# Altium PCB foxbms2-master.PcbDoc (part 5 of 11)
Units mil, origin at the board's own origin, x right, y up, seen from the top; angles counter-clockwise.
Board outline 7874.02 x 4724.41 mil, 8 copper layers (Top, Int1 (Sig), Int2 (Gnd), Int3 (Sig), Int4 (Sig), Int5 (Pwr), Int6 (Sig), Bottom), stack 64.41 mil thick; 912 components, 680 nets, 3159 pads, 2871 vias.
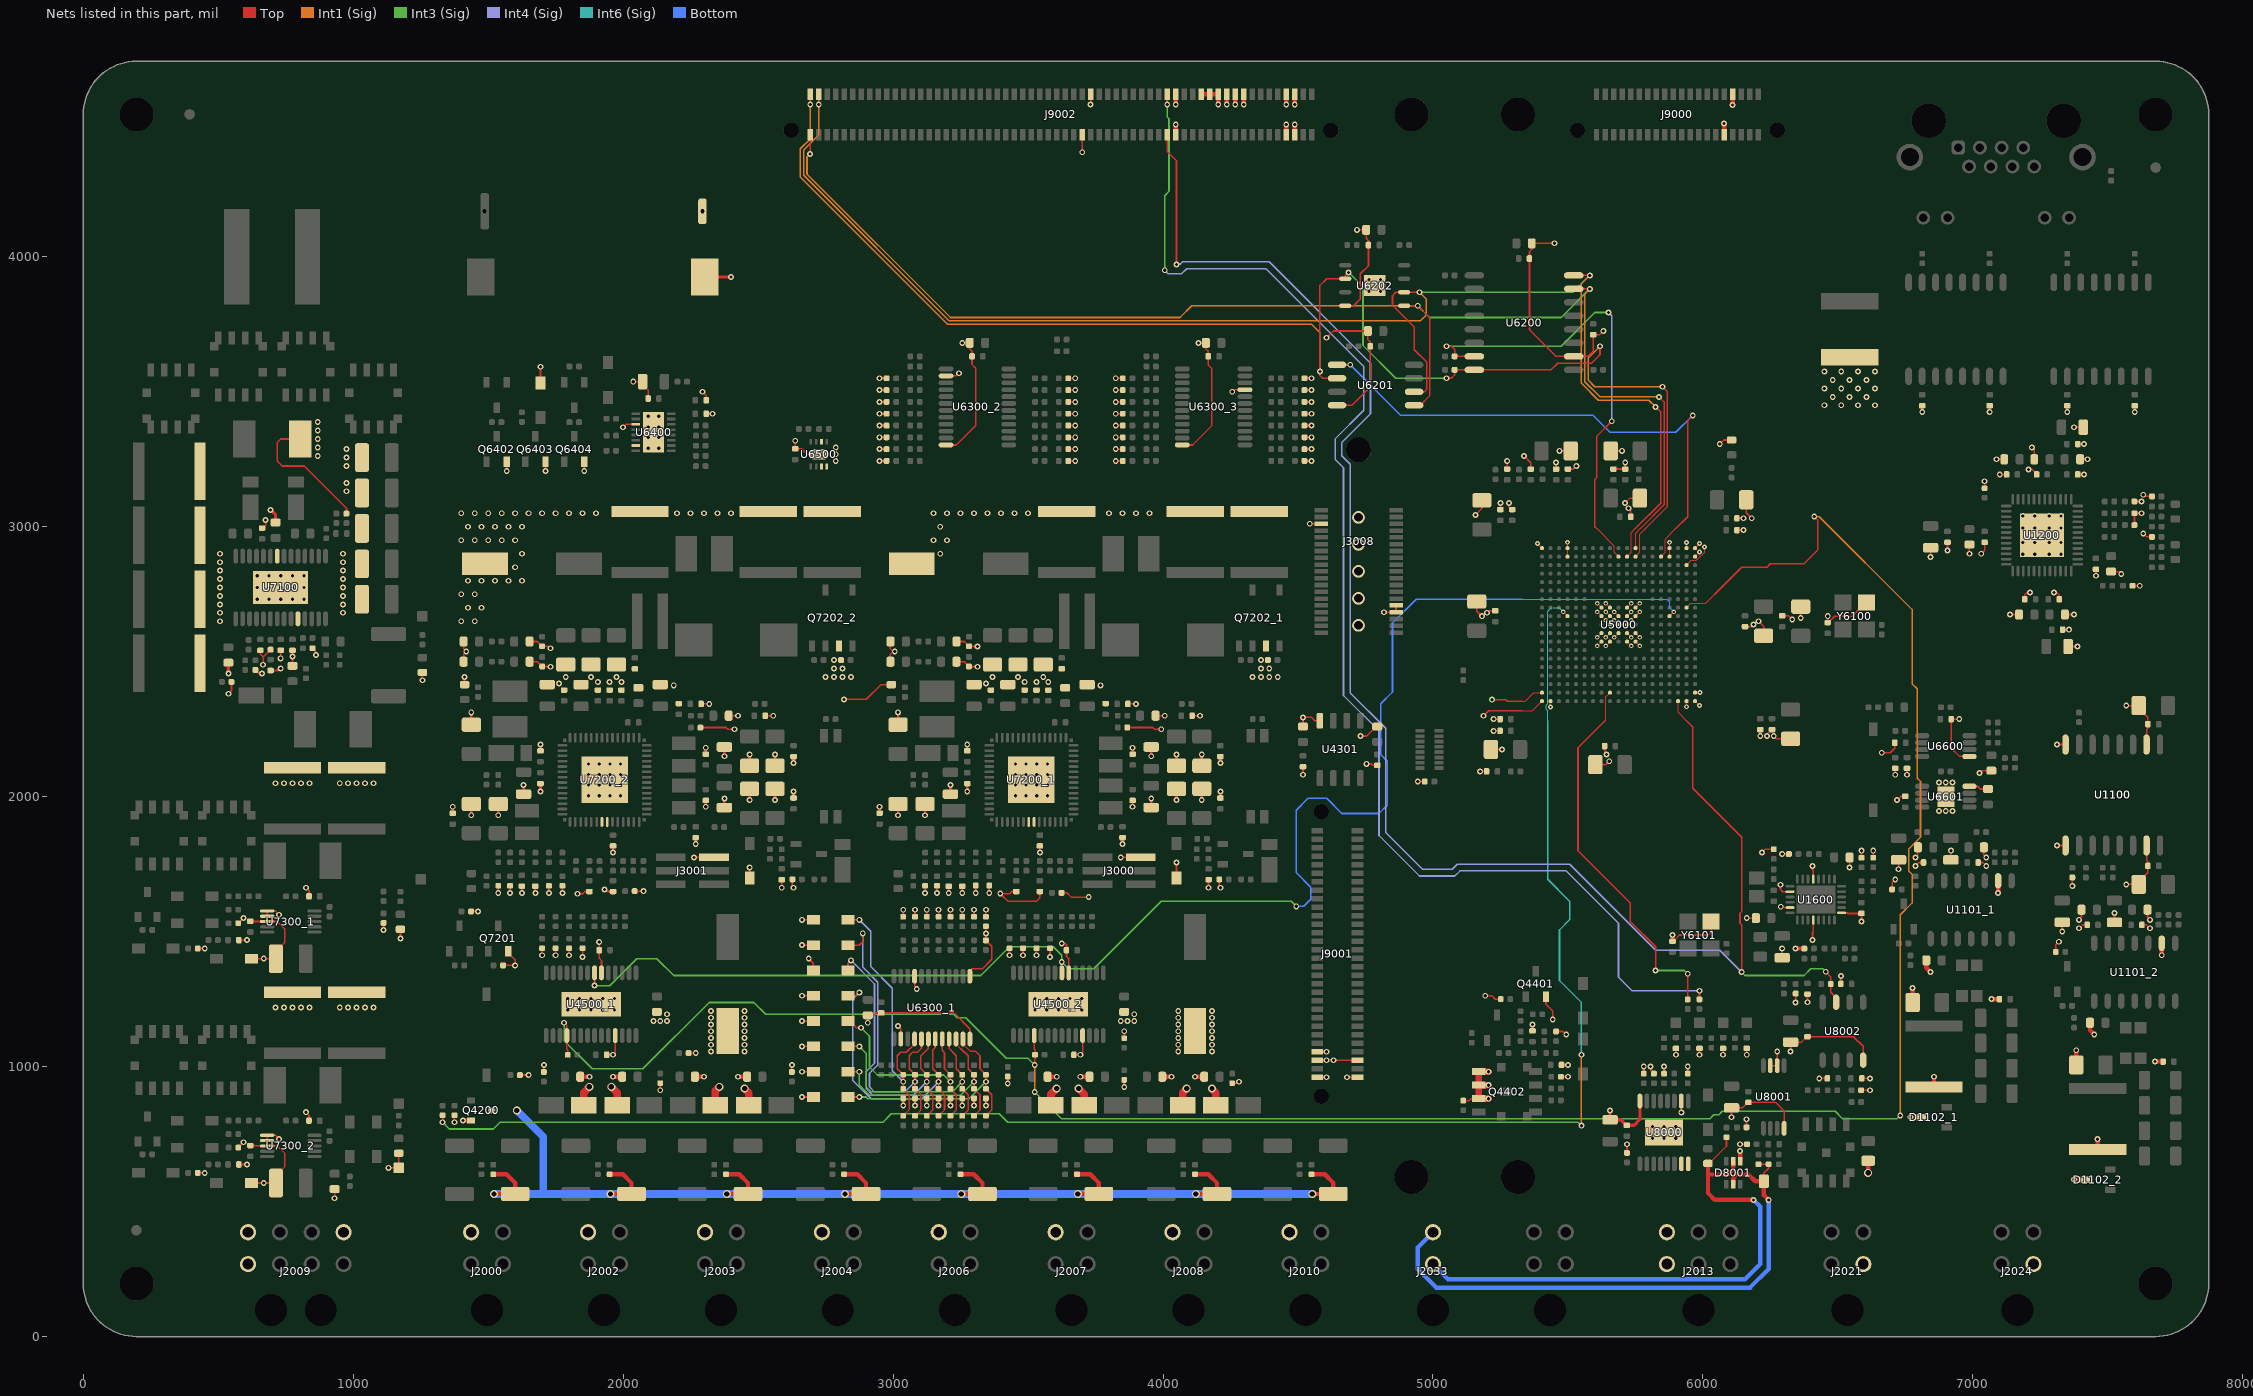
[diagram p11: the nets of this part, all layers, seen from the top]

## Via types
v1: diameter 21.65, hole 11.81, Top to Bottom, 1680 vias
v2: diameter 21.65, hole 11.81, Top to Bottom, tented both sides, 970 vias
v3: diameter 17.72, hole 7.87, Top to Bottom, tented both sides, 172 vias
v4: diameter 17.72, hole 7.87, Top to Bottom, 23 vias
v5: diameter 29.53, hole 19.68, Top to Bottom, tented both sides, 17 vias
v6: diameter 29.53, hole 19.68, Top to Bottom, 9 vias

## Nets (pads, with @x,y where several pads share a name; then routed paths per layer and width w, separated by ;. In a path a pad name is that pad's centre, name@x,y a point inside that pad or via, vN(x,y) a via of type N, cw(c..) or ccw(c..) an arc to the next point about the centre after c; other vN are vias at no path point) (continued)
FLASH_SPI.\CS_1: R6200.1 U5000.V10 U6200.7 | length 1757.6
  Top w4: 5606.25,2993.75 5672.19,2927.81 5672.19,2904.78 U5000.V10@5687.5,2889.47
  Top w6: v1(5050,3668.75) 5068.75,3668.75 5080.22,3657.28 R6200.1@5080.22,3631.25 U6200.7@5153.44,3631.25 ; 5606.25,2993.75 5600,3000 5600,3175 5606.25,3181.25 5606.25,3334.42 v1(5662.5,3390.67)
  Int3 (Sig) w6: v1(5050,3668.75) 5475,3668.75 5600,3793.75 v1(5650,3793.75)
  Int4 (Sig) w6: v1(5650,3793.75) 5662.5,3781.25 v1(5662.5,3390.67)
FLASH_SPI.CLK_1: J9002.3 U5000.V9 U6200.16 U6201.6 U6202.6 | length 5568.2
  Top w4: U5000.V9@5719,2889.47 5734.74,2905.22 5734.74,2978.49 5750,2993.75
  Top w6: v1(2724.41,4564.86) J9002.3@2724.41,4602.36 ; U6201.6@4930.22,3500 4968.75,3500 4977.5,3508.75 4977.5,3610 4931.25,3656.25 4931.25,3739.75 4850,3821 4850,3856.25 4862.5,3868.75 U6202.6@4893.5,3868.75 v1(4950,3868.75) ; U6200.16@5521.56,3931.25 v2(5581.25,3931.25) ; 5750,2993.75 5843.75,3087.5 5843.75,3425 v1(5825,3443.75)
  Int3 (Sig) w6: v1(4950,3868.75) 5518.75,3868.75 v2(5581.25,3931.25)
  Int1 (Sig) w6: v1(2724.41,4564.86) 2724.41,4451.31 2668.75,4395.65 2668.75,4301.88 3208.13,3762.5 4953.23,3762.5 4975,3784.27 4975,3843.75 v1(4950,3868.75) ; v2(5581.25,3931.25) 5550,3900 5550,3531.25 5612.5,3468.75 5800,3468.75 v1(5825,3443.75)
FLASH_SPI.MISO_1: J9002.1 R6201.1 U5000.V8 U6200.8 U6201.2 U6202.2 | length 5578.5
  Top w4: U5000.V8@5750.49,2889.47 5766.24,2905.22 5766.24,2972.49 5787.5,2993.75
  Top w6: v1(2692.91,4564.86) J9002.1@2692.91,4602.36 ; U6201.2@4644.78,3550 4591.53,3550 4581.25,3560.28 v1(4581.25,3575) 4581.25,3893.75 4606.25,3918.75 U6202.2@4675,3918.75 4675,3930.62 4686.43,3942.05 v1(4687.7,3942.05) ; v1(5050,3550) 5068.07,3550 5080.22,3562.14 R6201.1@5080.22,3581.25 U6200.8@5153.44,3581.25 5437.5,3581.25 5462.5,3606.25 5587.5,3606.25 5618.75,3637.5 v1(5618.75,3668.75) ; 5787.5,2993.75 5868.75,3075 5868.75,3500 v1(5850,3518.75)
  Int3 (Sig) w6: v1(4687.7,3942.05) 4740.77,3888.97 4740.77,3671.73 4862.5,3550 v1(5050,3550)
  Int1 (Sig) w6: v1(2692.91,4564.86) 2692.91,4436.66 2656.25,4400 2656.25,4295.63 3201.88,3750 4550.44,3750 4581.25,3719.19 v1(4581.25,3575) ; v1(5618.75,3668.75) 5575,3625 5575,3543.75 5600,3518.75 v1(5850,3518.75)
FLASH_SPI.MOSI_1: J9002.2 U5000.W8 U6200.15 U6201.5 U6202.5 | length 5142.4
  Top w4: U5000.W8@5750.49,2920.96 5750.49,2975.49 5768.75,2993.75
  Top w6: v1(2692.62,4381.25) 2692.91,4381.55 J9002.2@2692.91,4452.76 ; U6202.5@4893.5,3818.75 v1(4943.75,3818.75) ; U6201.5@4930.22,3450 4952.85,3450 4987.5,3484.65 4987.5,3775 v1@4947.05,3815.45 ; U6200.15@5521.56,3881.25 v2(5581.25,3881.25) ; 5768.75,2993.75 5856.25,3081.25 5856.25,3462.5 v1(5837.5,3481.25)
  Int3 (Sig) w6: v1(4943.75,3818.75) 4987.5,3775 5475,3775 v2(5581.25,3881.25)
  Int1 (Sig) w6: v1(2692.62,4381.25) 2681.25,4369.88 2681.25,4306.25 3212.5,3775 4063.26,3775 4107.01,3818.75 v1(4943.75,3818.75) ; v2(5581.25,3881.25) 5562.5,3862.5 5562.5,3537.5 5618.75,3481.25 v1(5837.5,3481.25)
FRAM_SPI.\CS_1: U5000.V5 U6201.1 | length 2018.9
  Top w4: U5000.V5@5844.98,2889.47 5860.73,2905.22 5860.73,2954.48 5900,2993.75
  Top w6: U6201.1@4644.78,3600 v2(4693.75,3600) ; 5900,2993.75 5943.75,3037.5 5943.75,3393.75 v1(5962.5,3412.5)
  Bottom w6: v2(4693.75,3600) 4881.25,3412.5 5593.75,3412.5 5656.25,3350 5900,3350 v1(5962.5,3412.5)
GND: BT6400.- BT6401.- C1100.1 C1102.1 C1103_1.1 C1104_1.1 C1105_1.1 C1106_1.1 C1107_1.1 C1108_1.1 C1109_1.1 C1110_1.1 C1111_1.1 C1112_1.1 C1200.1 C1201.1 C1202.1 C1203.1 C1204.1 C1205.1 C1206.1 C1207.1 C1208.1 C1209.1 C1210.1 C1211.1 C1212.1 C1213.1 C1214.1 C1215.1 C1216.1 C1217.1 C1218.1 C1219.1 C1220.1 C1221.1 C1222.1 C1223.1 C1224.1 C1600.2 C1601.2 C1602.1 C1603.1 C3000.1 C4344.1 C4345.1 C4346.1 C4347.1 C4400.1 C4401.1 C4500_1.2 C4500_2.2 C4501_1.1 C4501_2.1 C4502_1.1 C4502_2.1 C4503_1.1 C4503_2.1 C4504_1.1 C4504_2.1 C4505_1.1 C4505_2.1 C4506_1.1 C4506_2.1 C4507_1.1 C4507_2.1 C5000.1 C5001.1 C5002.1 C5003.1 C5004.1 C5005.1 C5006.1 C5007.1 C5008.1 C5009.1 C5010.1 C5011.1 C5012.1 C5013.1 C5014.1 C5015.1 C5016.1 C5017.1 C5018.1 C5019.1 C5020.1 C5021.1 C5022.1 C5023.1 C5024.1 C5025.1 C5026.1 C5027.1 C5028.1 C6100.1 C6101.1 C6200.1 C6201.1 C6202.1 C6203.1 C6204.1 C6205.1 C6206.1 C6300_1.1 C6300_2.1 C6300_3.1 C6301_1.1 C6301_2.1 C6301_3.1 C6400.1 C6401.1 C6402.1 C6403.1 C6500.1 C6600.1 C6601.1 C6602.1 C6603.1 C6604.1 C6605.1 C6606.1 C7000.1 C7001.1 C7100.1 C7101.1 C7102.1 C7103.1 C7104.1 C7105.1 C7106.1 C7107.1 C7108.1 C7109.1 C7113.2 C7114.2 C7116.2 C7117.1 C7118.1 C7119.1 C7120.1 C7200.2 C7201.2 C7202.2 C7203.2 C7205_1.2 C7205_2.2 C7206_1.1 C7206_2.1 C7207_1.1 C7207_2.1 C7208_1.1 C7208_2.1 C7209_1.1 C7209_2.1 C7210_1.1 C7210_2.1 C7211_1.1 C7211_2.1 C7212_1.1 C7212_2.1 C7213_1.1 C7213_2.1 C7215_1.1 C7215_2.1 C7216_1.1 C7216_2.1 C7217_1.1 C7217_2.1 C7218_1.1 C7218_2.1 C7219_1.1 C7219_2.1 C7220_1.1 C7220_2.1 C7221_1.1 C7221_2.1 C7222_1.1 C7222_2.1 C7223_1.1 C7223_2.1 C7224_1.1 C7224_2.1 C7225_1.1 C7225_2.1 C7226_1.1 C7226_2.1 C7227_1.1 C7227_2.1 C7228_1.1 C7228_2.1 C7229_1.1 C7229_2.1 C7230_1.1 C7230_2.1 C7231_1.1 C7231_2.1 C7232_1.1 C7232_2.1 C7233_1.1 C7233_2.1 C7234_1.1 C7234_2.1 C7235_1.1 C7235_2.1 C7236_1.1 C7236_2.1 C7237_1.1 C7237_2.1 C7238_1.1 C7238_2.1 C7239_1.1 C7239_2.1 C7240_1.1 C7240_2.1 C7241_1.1 C7241_2.1 C7242_1.1 C7242_2.1 C7243_1.1 C7243_2.1 C7244_1.1 C7244_2.1 C7245_1.1 C7245_2.1 C7246_1.1 C7246_2.1 C7247_1.1 C7247_2.1 C7248_1.1 C7248_2.1 C7249_1.1 C7249_2.1 C7250_1.1 C7250_2.1 C7251_1.1 C7251_2.1 C7300_1.2 C7300_2.2 C7301_1.1 C7301_2.1 C7302_1.1 C7302_2.1 C7303_1.1 C7303_2.1 C7304_1.1 C7304_2.1 C7305_1.1 C7305_2.1 C8000.1 C8001.1 C8002.1 C8003.1 C8005.1 C8006.1 C8007.1 C8008.1 C8009.1 C8010.1 C8011.2 C8012.1 C8013.2 C8014.1 D1102_1.3 D4200_1.2 D4200_2.2 D4200_3.2 D4200_4.2 D4200_5.2 D4200_6.2 D4200_7.2 D4200_8.2 D4500_1.2 D4500_2.2 D4501_1.2 D4501_2.2 D4502_1.2 D4502_2.2 D4503_1.2 D4503_2.2 D5000.1 D6401.2 D7000.1 D7001.1 D7002.1 D7003.1 D7005.1 D7202_1.2 D7202_2.2 D7307_1.2 D7307_2.2 D8001.1 J2000.4 J2002.4 J2003.4 J2004.4 J2006.4 J2007.4 J2008.4 J2009.4 J2009.5 J2009.8 J2010.4 J2013.3 J2013.6 J2021.1 J3000.2 J3001.2 J3008.5 J3008.30 J3008.32 J3008.G J9000.32 J9000.33 J9001.54 J9001.55 J9001.56 J9001.59 J9001.60 J9002.66 J9002.67 J9002.87 J9002.88 J9002.93 J9002.95 J9002.97 J9002.99 J9002.101 J9002.103 J9002.113 J9002.114 J9002.115 J9002.116 Q4200.S Q4401.S Q4402.S Q6402.S Q6403.S Q6404.S Q7201.S Q7202_1.3 Q7202_2.3 R1114_1.1 R1209.1 R1211.1 R1212.1 R1213.1 R1214.1 R1215.1 R1221.1 R1605.1 R1606.1 R1607.1 R1608.1 R1612.1 R3000.1 R4201.1 R4405.1 R4408.1 R4412.1 R4413.1 R4500.1 R4501_1.1 R4501_2.1 R4502_1.1 R4502_2.1 R4503_1.1 R4503_2.1 R4508_1.1 R4508_2.1 R4509_1.1 R4509_2.1 R4510_1.1 R4510_2.1 R4511_1.1 R4511_2.1 R4512_1.1 R4512_2.1 R6320_1.1 R6320_2.1 R6320_3.1 R6321_1.1 R6321_2.1 R6321_3.1 R6322_1.1 R6322_2.1 R6322_3.1 R6323_1.1 R6323_2.1 R6323_3.1 R6324_1.1 R6324_2.1 R6324_3.1 R6325_1.1 R6325_2.1 R6325_3.1 R6326_1.1 R6326_2.1 R6326_3.1 R6327_1.1 R6327_2.1 R6327_3.1 R6328_1.1 R6328_2.1 R6328_3.1 R6329_1.1 R6329_2.1 R6329_3.1 R6330_1.1 R6330_2.1 R6330_3.1 R6331_1.1 R6331_2.1 R6331_3.1 R6332_1.1 R6332_2.1 R6332_3.1 R6333_1.1 R6333_2.1 R6333_3.1 R6334_1.1 R6334_2.1 R6334_3.1 R6335_1.1 R6335_2.1 R6335_3.1 R7008.1 R7105.2 R7108.1 R7109.1 R7110.1 R7111.1 R7113.1 R7205.1 R7206.1 R7208.1 R7209.1 R7217.1 R7218.1 R7220.1 R7221.1 R7224.1 R7225.2 R7228_1.1 R7228_2.1 R7238_1.1 R7238_2.1 R7239_1.1 R7239_2.1 R7245_1.2 R7245_2.2 R7246_1.2 R7246_2.2 R7251_1.2 R7251_2.2 R7308_1.1 R7308_2.1 R7311_1.1 R7311_2.1 R8003.2 R8004.1 R8007.2 R8008.2 R8011.2 R8012.2 R8013.1 R8022.1 R8023.2 R8025.1 TP_GND.1 U1100.2 U1100.8 U1101_1.2 U1200.49 U1600.5 U1600.10 U1600.13 U1600.18 U1600.23 U4301.4 U4500_1.11 U4500_1.20 U4500_1.29 U4500_2.11 U4500_2.20 U4500_2.29 U5000.A1 U5000.A2 U5000.A18 U5000.A19 U5000.B1 U5000.B19 U5000.H8 U5000.H9 U5000.H11 U5000.H12 U5000.J8 U5000.J9 U5000.J10 U5000.J11 U5000.J12 U5000.K9 U5000.K10 U5000.K11 U5000.L8 U5000.L9 U5000.L10 U5000.L11 U5000.L12 U5000.M8 U5000.M9 U5000.M11 U5000.M12 U5000.U2 U5000.V1 U5000.V4 U5000.V16 U5000.W1 U5000.W2 U5000.W4 U5000.W16 U5000.W19 U6200.10 U6201.4 U6202.4 U6202.9 U6300_1.2 U6300_1.12 U6300_1.21 U6300_2.2 U6300_2.12 U6300_3.12 U6300_3.21 U6400.3 U6400.7 U6400.17 U6500.2 U6500.7 U6500.8 U6500.9 U6600.5 U6601.4 U6601.9 U7100.10 U7100.22 U7100.29 U7200_1.21 U7200_1.22 U7200_1.57 U7200_2.21 U7200_2.22 U7200_2.57 U7300_1.6 U7300_1.7 U7300_1.8 U7300_2.6 U7300_2.7 U7300_2.8 U8000.2 U8000.8 U8000.17 U8001.4 U8001.6 U8001.7 U8002.4 Y6100.2 Y6101.2 | length 22554.6
  Top w4: 5331.25,2318.75 5368.75,2318.75 U5000.A19@5404.04,2354.04 ; 5331.25,2354.04 5341.54,2354.04 5373.03,2385.53 U5000.B19@5404.04,2385.53 ; v3(5387.5,2937.5) U5000.W19@5404.04,2920.96 ; v3(5435.53,2332.75) U5000.A18@5435.53,2354.04 ; U5000.V16@5498.52,2889.47 U5000.W16@5498.52,2920.96 v3(5498.52,2942.27) ; v3(5608.76,2558.76) U5000.H12@5624.51,2574.51 ; v3(5608.76,2590.26) U5000.J12@5624.51,2606 ; v3(5608.76,2684.74) U5000.L12@5624.51,2669 ; v3(5608.76,2716.24) U5000.M12@5624.51,2700.49 ; v3(5640.26,2558.76) U5000.H11@5656,2574.51 ; v3(5640.26,2590.26) U5000.J11@5656,2606 ; v3(5640.26,2653.25) U5000.K11@5656,2637.5 ; v3(5640.26,2684.74) U5000.L11@5656,2669 ; v3(5640.26,2716.24) U5000.M11@5656,2700.49 ; v3(5671.75,2590.26) U5000.J10@5687.5,2606 ; v3(5671.75,2653.25) U5000.K10@5687.5,2637.5 ; v3(5671.75,2684.74) U5000.L10@5687.5,2669 ; U5000.H9@5719,2574.51 v3(5734.74,2558.76) ; U5000.J9@5719,2606 v3(5734.74,2590.26) ; U5000.K9@5719,2637.5 v3(5734.74,2653.25) ; U5000.L9@5719,2669 v3(5734.74,2684.74) ; U5000.M9@5719,2700.49 v3(5734.74,2716.24) ; U5000.H8@5750.49,2574.51 v3(5766.24,2558.76) ; U5000.J8@5750.49,2606 v3(5766.24,2590.26) ; U5000.L8@5750.49,2669 v3(5766.24,2684.74) ; U5000.M8@5750.49,2700.49 v3(5766.24,2716.24) ; U5000.V4@5876.48,2889.47 U5000.W4@5876.48,2920.96 v3(5876.48,2942.27) ; v3(5939.47,2333.22) U5000.A2@5939.47,2354.04 ; U5000.U2@5939.47,2857.97 5956.5,2875 5975,2875 6006.25,2906.25 v3(6006.25,2925) v3@6012.5,2925 ; U5000.W2@5939.47,2920.96 v3(5939.47,2941.78) ; U5000.A1@5970.96,2354.04 v3(5987.5,2337.5) ; U5000.B1@5970.96,2385.53 v3(5989.47,2385.53) ; U5000.V1@5970.96,2889.47 v3@5987.5,2906 ; U5000.W1@5970.96,2920.96 v3(5987.5,2937.5)
  Top w6: R7308_2.1@423.97,606.25 v2(450,606.25) ; R7308_1.1@423.97,1437.5 v2(450,1437.5) ; v2(537.5,2381.25) 548.97,2392.72 R7105.2@548.97,2425 ; R7311_2.1@573.97,700 v2(593.75,719.78) ; R7311_1.1@573.97,1531.25 v2(593.75,1551.03) ; C7300_2.2@576.33,637.5 v1(606.25,637.5) ; C7300_1.2@576.33,1468.75 v1(606.25,1468.75) ; C7305_2.1@618.75,707.58 634.95,707.58 636.28,706.25 U7300_2.8@681.15,706.25 718.75,706.25 746.92,678.08 746.92,629.6 713.63,596.31 C7304_2.1@713.63,568.75 v2(668.75,568.75) D7307_2.2@622.49,568.75 ; C7305_1.1@618.75,1538.83 634.95,1538.83 636.28,1537.5 U7300_1.8@681.15,1537.5 718.75,1537.5 746.92,1509.33 746.92,1460.85 713.63,1427.56 C7304_1.1@713.63,1400 v2(668.75,1400) D7307_1.2@622.49,1400 ; R7110.1@637.5,2469.78 650.14,2457.14 661.61,2457.14 v2(662.5,2456.25) ; C7117.1@656.25,2542.42 656.25,2528.19 666.33,2518.11 666.33,2517.36 ; C7114.2@662.5,2995.08 664.47,2995.08 676.03,3006.64 676.03,3023.97 v2(675,3025) ; v2(666.33,2488.94) 666.33,2517.36 ; U7300_2.7@681.15,725.93 U7300_2.6@681.15,745.62 711.73,745.62 725,732.35 v2(725,731.25) ; U7300_1.7@681.15,1557.18 U7300_1.6@681.15,1576.87 711.73,1576.87 725,1563.6 v2(725,1562.5) ; C7118.1@693.75,2467.42 721.88,2467.42 729.46,2475 v2(731.25,2475) ; R7111.1@693.75,2544.78 666.33,2517.36 ; v2(731.25,2512.5) C7113.2@731.25,2542.42 ; C7120.1@775,2484.79 v2(775,2518.75) C7119.1@775,2542.42 ; R7108.1@803.35,3325 731.25,3325 718.75,3312.5 718.75,3243.75 737.5,3225 818.75,3225 975,3068.75 R7109.1@975,3048.97 ; v2(825,831.25) 836.17,820.08 C7303_2.1@836.17,800 ; v2(825,1662.5) 836.17,1651.33 C7303_1.1@836.17,1631.25 ; R7113.1@848.97,2550 861.61,2537.36 861.61,2525.89 v2(862.5,2525) ; v1(931.25,512.5) C7000.1@931.25,546.46 ; v1(1112.5,1506.25) R7008.1@1112.5,1532.28 ; v1(1131.25,625) TP_GND.1@1168.75,625 D7005.1@1168.75,678.69 ; v1(1175,1475) D7000.1@1175,1508.91 ; v1(1256.25,2431.25) D7001.1@1256.25,2459.94 ; v2(1375,793.75) R4201.1@1375,819.78 ; C7225_2.1@1408.96,2500 1408.96,2527.71 v2(1418.75,2537.5) 1408.96,2547.29 C7217_2.1@1408.96,2575 ; D7003.1@1412.5,2415.06 v1(1412.5,2443.75) ; R7224.1@1436.47,1575 v2(1462.5,1575) ; v2(1537.5,1643.75) R7218.1@1537.5,1669.78 ; R7225.2@1555.22,1375 v2(1600,1375) 1600,1394.78 1574.9,1419.88 Q7201.S@1574.9,1427.76 ; v2(1568.65,3206.35) Q6402.S@1568.65,3240.26 ; v2(1581.25,1643.75) R7217.1@1581.25,1669.78 ; R4500.1@1617.72,968.75 v2(1650,968.75) ; v2(1625,1643.75) C7243_2.1@1625,1668.45 ; C7226_2.1@1653.54,2500 1682.28,2500 R7246_2.2@1700,2482.28 1714.83,2482.28 1715.86,2481.25 v2(1731.25,2481.25) ; C7218_2.1@1653.54,2575 1682.28,2575 R7245_2.2@1700,2557.28 1719.73,2557.28 1727.01,2550 v2(1731.25,2550) ; v2(1675,1643.75) C7244_2.1@1675,1668.45 ; C7230_2.1@1693.75,2170.08 v2(1693.75,2193.75) ; D6401.2@1693.75,3533.12 v1(1693.75,3592.48) ; v2(1700,1412.5) R4512_1.1@1700,1438.53 ; R4501_1.1@1706.25,980.22 v1(1706.25,1006.25) ; v2(1712.4,3206.35) Q6403.S@1712.4,3240.26 ; v2(1725,1643.75) R7220.1@1725,1669.78 R7220.1@1725,1670.82 ; v2(1750,1412.5) R4511_1.1@1750,1438.53 ; v2(1775,1643.75) R7221.1@1775,1669.78 R7221.1@1775,1670.82 ; v2(1800,1412.5) R4510_1.1@1800,1438.53 ; v1(1831.25,1640.58) 1850.7,1640.58 1858.8,1648.67 C7237_2.1@1875,1648.67 ; v2(1850,1406.25) R4509_1.1@1850,1432.28 ; v2(1856.15,3206.35) Q6404.S@1856.15,3240.26 ; v2(1911.17,1461.17) C4505_1.1@1911.17,1431.25 1911.17,1401.33 1919.64,1392.86 U4500_1.20@1919.64,1347.39 ; v2(1931.25,1656.25) 1935.49,1656.25 1943.06,1648.67 C7236_2.1@1962.5,1648.67 ; C4503_1.1@1938.83,1043.75 v2(1962.5,1043.75) 1970.82,1052.07 U4500_1.11@1970.82,1115.11 ; v2(1962.5,1793.75) C7222_2.1@1962.5,1817.42 ; v2(2000,3368.75) 2010.78,3379.53 U6400.3@2045.96,3379.53 ; v2(2037.5,3537.5) C6402.1@2072.15,3537.5 2072.15,3526.67 2092.42,3506.4 C6400.1@2092.42,3475 ; R7251_2.2@2042.72,1650 v1(2075,1650) ; v1(2137.5,912.5) R4502_1.1@2137.5,938.53 ; R4503_1.1@2242.72,1050 v1(2268.75,1050) ; v2(2262.5,1775) J3001.2@2336.37,1775 ; v2(2268.75,1825) C7245_2.1@2268.75,1848.67 ; R7239_2.1@2286.47,2256.25 2381.25,2256.25 2387.5,2250 v2(2412.5,2250) ; C7203.2@2288.83,2343.75 v2(2318.75,2343.75) ; v2(2293.75,3500) 2307.58,3486.17 C6401.1@2307.58,3468.75 ; C6403.1@2307.58,3418.75 v2(2331.25,3418.75) ; C7202.2@2391.04,2300 v2(2425,2300) ; D7202_2.2@2468.75,1698.13 v2(2468.75,1737.5) ; C7227_2.1@2526.33,2300 v2(2556.25,2300) ; v2(2587.5,1662.5) C7231_2.1@2587.5,1692.42 ; R4508_1.1@2625,980.22 v1(2625,1006.25) ; R7238_2.1@2627.07,1693.75 2627.07,1666.68 v2(2631.25,1662.5) ; v2(2637.5,3318.75) C6500.1@2637.5,3288.83 2661.17,3288.83 2681.25,3268.75 U6500.9@2725,3268.75 U6500.9@2726.49,3270.24 ; v1(2662.5,887.5) D4200_8.2@2704.38,887.5 ; v1(2662.5,981.25) D4200_7.2@2704.38,981.25 ; v1(2662.5,1075) D4200_6.2@2704.38,1075 ; v1(2662.5,1168.75) D4200_5.2@2704.38,1168.75 ; v1(2662.5,1262.5) D4200_4.2@2704.38,1262.5 ; v1(2662.5,1450) D4200_2.2@2704.38,1450 ; v1(2662.5,1543.75) D4200_1.2@2704.38,1543.75 ; v1(2687.5,1400) 2704.38,1383.12 D4200_3.2@2704.38,1356.25 ; v1(2818.11,2359.94) 2818.71,2360.54 2900.85,2360.54 2955.36,2415.06 D7002.1@2993.75,2415.06 ; v2(2906.25,1162.5) C6300_1.1@2906.25,1190.21 2928.95,1190.21 2937.42,1198.67 C6301_1.1@2956.25,1198.67 3226.33,1198.67 3284.5,1140.5 U6300_1.12@3284.5,1102.61 ; v2(2950,3243.75) R6327_2.1@2976.03,3243.75 ; v2(2950,3287.5) R6326_2.1@2976.03,3287.5 ; v2(2950,3331.25) R6325_2.1@2976.03,3331.25 ; v2(2950,3375) R6324_2.1@2976.03,3375 ; v2(2950,3418.75) R6323_2.1@2976.03,3418.75 ; v2(2950,3462.5) R6322_2.1@2976.03,3462.5 ; v2(2950,3506.25) R6321_2.1@2976.03,3506.25 ; v2(2950,3550) R6320_2.1@2976.03,3550 ; C7225_1.1@2990.21,2500 2990.21,2527.71 v2@3000,2537.5 ; C7217_1.1@2990.21,2575 2990.21,2547.29 v2@3000,2537.5 ; v2(3006.25,2537.5) v2@3000,2537.5 ; v2(3018.75,1150) 3028.59,1140.16 U6300_1.2@3028.59,1102.61 ; v2(3037.5,856.25) R6320_1.1@3037.5,882.28 ; R6335_1.1@3037.5,1555.22 v2(3037.5,1581.25) ; U6300_1.21@3079.77,1334.89 3079.77,1296.87 3087.5,1289.15 v2(3087.5,1287.5) ; v2(3081.25,856.25) R6321_1.1@3081.25,882.28 ; R6334_1.1@3081.25,1555.22 v2(3081.25,1581.25) ; v2(3118.75,1643.75) R7206.1@3118.75,1669.78 ; v2(3125,856.25) R6322_1.1@3125,882.28 ; R6333_1.1@3125,1555.22 v2(3125,1581.25) ; v2(3162.5,1643.75) R7205.1@3162.5,1669.78 ; v2(3168.75,856.25) R6323_1.1@3168.75,882.28 ; R6332_1.1@3168.75,1555.22 v2(3168.75,1581.25) ; U6300_2.12@3196.36,3303 3234.25,3303 3306.25,3375 3306.25,3587.5 3292.42,3601.33 3292.42,3650.08 3283.96,3658.55 C6300_2.1@3283.96,3681.25 v2(3256.25,3681.25) ; U6300_2.2@3196.36,3558.91 3233.91,3558.91 v2(3243.75,3568.75) ; v2(3206.25,1643.75) C7243_1.1@3206.25,1668.45 ; v2(3212.5,856.25) R6324_1.1@3212.5,882.28 ; R6331_1.1@3212.5,1555.22 v2(3212.5,1581.25) ; C7226_1.1@3234.79,2500 3263.53,2500 R7246_1.2@3281.25,2482.28 3296.08,2482.28 3297.11,2481.25 v2(3312.5,2481.25) ; C7218_1.1@3234.79,2575 3263.53,2575 R7245_1.2@3281.25,2557.28 3296.08,2557.28 3297.11,2556.25 v2(3312.5,2556.25) ; v2(3256.25,856.25) R6325_1.1@3256.25,882.28 ; R6330_1.1@3256.25,1555.22 v2(3256.25,1581.25) ; v2(3256.25,1643.75) C7244_1.1@3256.25,1668.45 ; C7230_1.1@3275,2170.08 v2(3275,2193.75) ; v2(3300,856.25) R6326_1.1@3300,882.28 ; R6329_1.1@3300,1555.22 v2(3300,1581.25) ; v2(3306.25,1643.75) R7209.1@3306.25,1670.82 ; v2(3343.75,856.25) R6327_1.1@3343.75,882.28 ; R6328_1.1@3343.75,1555.22 v2(3343.75,1581.25) ; v2(3356.25,1643.75) R7208.1@3356.25,1670.82 ; v1(3425,937.5) R4501_2.1@3425,963.53 ; v2(3431.25,1412.5) R4512_2.1@3431.25,1438.53 ; C7237_1.1@3458.22,1648.67 C7237_1.1@3456.25,1648.67 3440.05,1648.67 3432.19,1640.82 v2(3397.07,1640.82) 3425.38,1612.5 3531.25,1612.5 3543.75,1625 C7236_1.1@3543.75,1648.67 ; v2(3481.25,1412.5) R4511_2.1@3481.25,1438.53 ; v2(3531.25,1412.5) R4510_2.1@3531.25,1438.53 ; v2(3543.75,1793.75) C7222_1.1@3543.75,1817.42 ; v2(3581.25,1406.25) R4509_2.1@3581.25,1432.28 ; R7251_1.2@3623.97,1643.75 3643.75,1643.75 3659.42,1628.08 v1(3725,1628.08) ; v1(3625,1456.25) 3637.5,1456.25 3642.42,1451.33 C4505_2.1@3642.42,1431.25 3642.42,1407.58 3650.89,1399.11 U4500_2.20@3650.89,1347.39 ; R6328_2.1@3648.97,3243.75 v2(3675,3243.75) ; R6329_2.1@3648.97,3287.5 v2(3675,3287.5) ; R6330_2.1@3648.97,3331.25 v2(3675,3331.25) ; R6331_2.1@3648.97,3375 v2(3675,3375) ; R6332_2.1@3648.97,3418.75 v2(3675,3418.75) ; R6333_2.1@3648.97,3462.5 v2(3675,3462.5) ; R6334_2.1@3648.97,3506.25 v2(3675,3506.25) ; R6335_2.1@3648.97,3550 v2(3675,3550) ; C4503_2.1@3670.08,1043.75 v2(3693.75,1043.75) 3702.07,1052.07 U4500_2.11@3702.07,1115.11 ; v1(3700.79,4387.5) J9002.66@3700.79,4452.76 ; v1(3731.55,4564.86) 3732.28,4565.6 J9002.67@3732.28,4602.36 ; v2(3825,3243.75) R6327_3.1@3851.03,3243.75 ; v2(3825,3287.5) R6326_3.1@3851.03,3287.5 ; v2(3825,3331.25) R6325_3.1@3851.03,3331.25 ; v2(3825,3375) R6324_3.1@3851.03,3375 ; v2(3825,3418.75) R6323_3.1@3851.03,3418.75 ; v2(3825,3462.5) R6322_3.1@3851.03,3462.5 ; v2(3825,3506.25) R6321_3.1@3851.03,3506.25 ; v2(3825,3550) R6320_3.1@3851.03,3550 ; v2(3843.75,1775) J3000.2@3917.62,1775 ; v2(3850,1825) C7245_1.1@3850,1848.67 ; v1(3856.25,925) R4502_2.1@3856.25,951.03 ; R4503_2.1@3856.25,1105.22 v1(3856.25,1131.25) ; R7239_1.1@3867.72,2256.25 3962.5,2256.25 3968.75,2250 v2(3993.75,2250) ; C7201.2@3870.08,2343.75 v2(3900,2343.75) ; C7200.2@3972.29,2300 v2(4006.25,2300) ; D7202_1.2@4050,1698.13 v2(4050,1756.25) ; U6300_3.12@4071.36,3303 4109.25,3303 4181.25,3375 4181.25,3585.16 4167.42,3598.99 C6301_3.1@4167.42,3631.25 4167.42,3650.08 4158.96,3658.55 C6300_3.1@4158.96,3681.25 v2(4131.25,3681.25) ; C7227_1.1@4107.58,2300 v2(4137.5,2300) ; v2(4168.75,1662.5) C7231_1.1@4168.75,1692.42 ; R7238_1.1@4208.32,1693.75 4208.32,1666.68 v2(4212.5,1662.5) ; R4508_2.1@4256.25,938.53 4271.8,938.53 4277.01,943.75 v1(4281.25,943.75) ; v2(4256.25,3500) 4257.9,3500 4265.62,3507.73 U6300_3.21@4303.64,3507.73 ; v1(4518.75,2081.25) C4345.1@4518.75,2111.17 ; C4344.1@4518.75,2259.79 v1(4518.75,2293.75) 4550,2293.75 4562.45,2281.3 U4301.4@4581.25,2281.3 ; R6328_3.1@4523.97,3243.75 v2(4550,3243.75) ; R6329_3.1@4523.97,3287.5 v2(4550,3287.5) ; R6330_3.1@4523.97,3331.25 v2(4550,3331.25) ; R6331_3.1@4523.97,3375 v2(4550,3375) ; R6332_3.1@4523.97,3418.75 v2(4550,3418.75) ; R6333_3.1@4523.97,3462.5 v2(4550,3462.5) ; R6334_3.1@4523.97,3506.25 v2(4550,3506.25) ; R6335_3.1@4523.97,3550 v2(4550,3550) ; v1(4543.75,3011.02) J3008.5@4585.43,3011.02 ; J9001.60@4570.87,960.63 v1(4606.25,960.63) ; J9001.56@4570.87,1023.62 v1(4606.25,1023.62) ; J9001.54@4570.87,1055.12 v1(4606.25,1055.12) ; v1(4606.25,3700) 4631.25,3725 C6203.1@4758.96,3725 4758.96,3693.42 4767.42,3684.95 C6204.1@4767.42,3668.75 4767.42,3517.42 4700,3450 U6201.4@4644.78,3450 ; v1(4631.25,1023.62) J9001.55@4720.47,1023.62 J9001.55@4719.09,1025 ; U6202.4@4675,3818.75 4706.25,3818.75 4731.25,3843.75 4731.25,3937.5 4761.17,3967.42 C6206.1@4761.17,4043.75 4761.17,4059.95 4752.71,4068.42 C6205.1@4752.71,4100 v2(4718.75,4100) ; v1(4681.25,960.63) J9001.59@4720.47,960.63 ; v1(4731.25,2225) 4755.02,2225 4789.81,2259.79 C4347.1@4793.75,2259.79 ; v1(4753.7,2121.68) 4771.96,2121.68 4777.55,2116.09 C4346.1@4793.75,2116.09 ; v1(4818.75,2683.46) J3008.32@4863.39,2683.46 J3008.30@4863.39,2708.66 ; v1(4943.75,2056.25) R3000.1@4969.78,2056.25 ; R4413.1@5112.5,873.97 5133.8,873.97 5141.08,881.25 Q4402.S@5169.69,881.25 ; v2(5157.69,3043.75) 5181.25,3067.31 C5020.1@5181.25,3097.88 ; C5002.1@5162.5,2722.88 5162.5,2687.5 v1(5181.25,2668.75) ; v2(5175,2093.75) C3000.1@5198.67,2093.75 ; v1(5187.5,2300) 5206.25,2318.75 5331.25,2318.75 ; v1(5193.75,1262.5) 5218.75,1262.5 5231.25,1250 R4412.1@5251.03,1250 ; v2(5200,2681.25) 5207.58,2688.83 C5006.1@5231.25,2688.83 ; C5016.1@5214.62,2175 v2(5256.25,2175) ; v1(5218.75,2359.42) 5269.61,2359.42 5275,2354.04 5331.25,2354.04 ; v2(5225,2243.75) C5024.1@5248.67,2243.75 ; v2(5225,2287.5) C5025.1@5248.67,2287.5 ; C5021.1@5250,3063.83 v2(5250,3087.5) ; C7001.1@5275,3213.83 v1(5275,3243.75) ; v2(5281.25,3087.5) 5280.22,3086.47 5280.22,3075.39 5291.78,3063.83 C5022.1@5293.75,3063.83 ; v2(5337.5,3262.5) 5362.5,3237.5 C5015.1@5362.5,3213.83 ; C4401.1@5368.75,1132.58 v1(5368.75,1156.25) ; Q4401.S@5418.65,1259.01 5418.65,1231.35 5443.75,1206.25 v1(5443.75,1175) ; v1(5450,4050) C6200.1@5366.04,4050 5366.04,4027.3 5357.58,4018.83 C6201.1@5357.58,3993.75 5357.58,3729.92 5456.25,3631.25 U6200.10@5521.56,3631.25 5575,3631.25 5593.75,3650 C6202.1@5593.75,3711.17 5617.42,3711.17 v2(5631.25,3725) ; R4408.1@5456.25,1130.22 5482.28,1130.22 v1(5493.75,1118.75) ; C5011.1@5456.25,3213.83 v2(5456.25,3237.5) ; v2(5468.75,3281.25) C5010.1@5510.38,3281.25 ; R4405.1@5473.97,962.5 v1(5500,962.5) ; C4400.1@5476.33,1006.25 v1(5500,1006.25) ; C5012.1@5500,3213.83 5520.08,3213.83 v2(5531.25,3225) ; C5001.1@5601.87,2118.75 5640.67,2118.75 v1(5653.17,2131.25) ; C5004.1@5635.93,2187.5 5635.93,2163.83 v2(5643.5,2156.25) ; C5007.1@5658.37,3281.25 v2(5700,3281.25) ; C5009.1@5668.75,3213.83 C5008.1@5712.5,3213.83 v2(5712.5,3237.5) ; v1(5711.12,3087.5) 5729.87,3106.25 C5000.1@5766.63,3106.25 ; R8008.2@5718.75,680.22 v2(5718.75,712.5) ; v2(5725,3068.75) 5732.58,3061.17 C5005.1@5732.58,3037.5 ; R8011.2@5781.25,973.97 v2(5781.25,1000) ; v2(5806.25,1000) 5806.25,986.47 R8012.2@5818.75,973.97 ; R8007.2@5856.25,973.97 v2(5856.25,1000) ; v2(5887.5,1487.5) C6101.1@5887.5,1463.83 5889.47,1463.83 5913.14,1487.5 6018.75,1487.5 6030.81,1499.56 Y6101.2@6030.81,1537.5 ; v2(5900,1043.75) C8001.1@5900,1067.42 ; v2(5920.23,829.77) U8000.2@5920.23,872.39 ; R8003.2@5943.75,973.97 v2(5943.75,1000) ; v2(5987.5,1043.75) C8000.1@5987.5,1067.42 ; v2(6062.5,3306.25) 6077.56,3321.31 D5000.1@6106.25,3321.31 ; v2(6075,1043.75) C8002.1@6075,1067.42 ; v2(6106.25,812.5) C8006.1@6106.25,847.15 6146.51,847.15 6166.78,867.42 C8007.1@6168.75,867.42 6270.08,867.42 6300.89,836.61 U8001.4@6300.89,771.36 ; C5027.1@6126.33,2987.5 v2(6150,2987.5) ; C5026.1@6126.33,3031.25 v2(6150,3031.25) ; v2(6137.5,712.5) R8013.1@6163.53,712.5 ; C5003.1@6156.25,2629.92 6179.92,2629.92 v2(6187.5,2637.5) ; C5018.1@6160.38,3100 6160.38,3052.12 v2(6181.25,3031.25) ; R8004.1@6161.47,775 v2(6161.47,805.22) ; v2(6162.5,1043.75) C8005.1@6162.5,1067.42 ; v2(6162.5,1550) C1600.2@6196.46,1550 ; v1(6206.25,2650) 6225,2631.25 C5017.1@6225,2595.87 ; v2(6212.5,2225) C5023.1@6212.5,2248.67 ; v2(6218.75,1793.75) 6230.22,1805.22 R1607.1@6262.5,1805.22 ; v2(6237.5,2224.34) 6237.5,2231.89 6254.28,2248.67 C5028.1@6256.25,2248.67 ; U8001.7@6249.7,1003.64 U8001.6@6275.3,1003.64 v2(6275.3,1055.95) ; v2(6262.5,2225) 6272.88,2214.62 C5019.1@6325,2214.62 ; v2@6287.72,1674.78 v2(6287.72,1673.51) 6287.5,1673.29 6287.5,1656.25 6295.47,1648.28 U1600.10@6323.28,1648.28 ; v2(6288.71,1592.16) 6299.61,1592.16 6302.55,1589.22 U1600.13@6323.28,1589.22 ; C1603.1@6293.75,1403.4 v2(6293.75,1437.5) ; v2(6293.75,1787.5) R1608.1@6318.75,1787.5 ; C5014.1@6293.75,2670.08 6317.42,2670.08 v2(6331.25,2656.25) ; v2(6325,1056.25) C8008.1@6325,1090.9 6365.26,1090.9 6385.53,1111.17 C8009.1@6387.5,1111.17 6557.58,1111.17 6593.75,1075 U8002.4@6593.75,1023.97 ; v2(6343.75,1237.5) R8025.1@6343.75,1270.82 ; v2(6362.5,2662.5) C5013.1@6362.5,2704.13 ; v2(6387.5,1238.53) C8014.1@6387.5,1268.45 ; v2(6406.25,1468.75) 6406.25,1497.34 6408.91,1500 U1600.18@6408.91,1542.96 ; v2(6406.25,1743.75) 6406.25,1729.31 6408.91,1726.65 U1600.5@6408.91,1694.54 ; v2(6431.25,956.25) C8011.2@6461.17,956.25 ; v1(6462.5,2668.75) C6100.1@6462.5,2645.08 6464.47,2645.08 6488.14,2668.75 6553.84,2668.75 6603.84,2718.75 Y6100.2@6605.81,2718.75 ; C8013.2@6511.17,1306.25 v2(6511.17,1336.17) ; U1600.23@6514.22,1569.54 6534.95,1569.54 6537.07,1567.42 C1602.1@6587.5,1567.42 v2(6587.5,1537.5) ; v2(6543.75,1737.5) C1601.2@6543.75,1775 ; R8022.1@6586.47,912.5 v2(6618.75,912.5) ; R1606.1@6587.5,1773.97 v2(6587.5,1800) ; C8010.1@6588.83,956.25 v2(6618.75,956.25) ; R1605.1@6631.25,1773.97 v2(6631.25,1800) ; v2(6662.5,2162.5) 6693.75,2162.5 6711.17,2179.92 C6604.1@6711.17,2200 ; R1114_1.1@6701.03,1656.25 6701.03,1682.28 v1(6712.5,1693.75) ; v2(6712.5,2081.25) C6601.1@6712.5,2104.92 ; v2(6718.75,1987.5) 6719.97,1987.5 6733.8,2001.33 C6605.1@6750,2001.33 ; v1(6725,1731.25) C1107_1.1@6725,1765.9 ; v2(6756.25,2081.25) C6602.1@6756.25,2104.92 ; v1(6787.5,1743.75) 6800,1756.25 C1109_1.1@6817.42,1756.25 ; v1(6787.5,1775) 6796.46,1783.96 C1108_1.1@6796.46,1812.5 ; v2(6812.5,3425) C1222.1@6812.5,3448.67 ; v2(6843.75,2887.5) C1214.1@6843.75,2922.15 ; v2(6906.25,2912.5) C1215.1@6906.25,2942.42 ; C1110_1.1@6918.75,1765.9 v1(6918.75,1800) ; v2(6950,2287.5) C6600.1@6920.08,2287.5 6920.08,2179.92 6950.89,2149.11 U6600.5@6987.6,2149.11 ; v2(6987.5,2900) C1216.1@6987.5,2933.96 ; U6601.4@6987.6,2038.39 7018.17,2038.39 7028.02,2028.54 C6606.1@7056.25,2028.54 ; C1112_1.1@7020.08,1756.25 7037.5,1756.25 v1(7050,1743.75) ; v2(7024.95,2087.5) 7033.91,2096.46 C6603.1@7068.75,2096.46 ; v2(7031.25,2900) 7043.75,2912.5 C1217.1@7043.75,2942.42 ; C1111_1.1@7041.04,1812.5 7041.04,1783.96 v1(7050,1775) ; R1221.1@7043.75,3142.72 v2(7043.75,3168.75) ; v2(7062.5,3425) C1223.1@7062.5,3448.67 ; v2(7087.5,3250) C1210.1@7116.54,3250 ; v2(7100,3193.75) C1211.1@7125,3193.75 ; v2(7137.5,2675) C1218.1@7171.46,2675 ; C1219.1@7192.42,2731.25 7192.42,2747.45 7200,2755.03 7211.28,2755.03 7212.5,2756.25 v2(7212.01,2756.74) ; v2(7206.25,3212.5) 7219.39,3212.5 7236.17,3195.72 C1205.1@7236.17,3193.75 ; v2(7218.75,3293.75) 7227.71,3284.79 C1204.1@7227.71,3250 ; v2(7300.49,2756.74) 7300,2756.25 7311.28,2756.25 7320.08,2747.45 C1203.1@7320.08,2731.25 ; v1(7312.5,2193.26) U1100.8@7343.75,2193.26 ; C1201.1@7332.58,2616.78 C1201.1@7332.58,2618.75 v2(7356.25,2618.75) ; C1202.1@7341.04,2675 v2(7375,2675) ; C1220.1@7348.67,3448.67 7350,3447.34 v2(7350,3425) ; C1200.1@7352.85,2556.25 v2(7387.5,2556.25) ; v2(7375,3368.75) C1208.1@7409.1,3368.75 ; C1213.1@7388.83,3193.75 v2(7412.5,3193.75) ; C1209.1@7388.83,3306.25 v2(7412.5,3306.25) ; C1212.1@7397.29,3250 v2(7425,3250) ; v2(7456.25,2818.75) C1207.1@7456.25,2842.42 ; C1206.1@7512.5,2833.96 7541.04,2833.96 v2(7550,2825) ; v1(7568.75,2337.5) C1100.1@7614.62,2337.5 7614.62,2328.64 7648.67,2294.59 C1102.1@7648.67,2268.75 7648.67,2252.55 7643.75,2247.62 U1100.2@7643.75,2193.26 ; R1215.1@7591.68,2781.25 v2(7618.75,2781.25) ; R1214.1@7598.97,3006.25 R1213.1@7598.97,3050 v2(7625,3050) ; R1212.1@7598.97,3093.75 v2(7625,3093.75) ; v2(7600,3425) C1221.1@7600,3448.67 ; v2(7631.25,2975) 7643.75,2962.5 R1211.1@7663.53,2962.5 ; v2(7631.25,3118.75) 7637.5,3112.5 R1209.1@7663.53,3112.5